# KiCad board INS-1 Matrix Display Motherboard.kicad_pcb (continued)
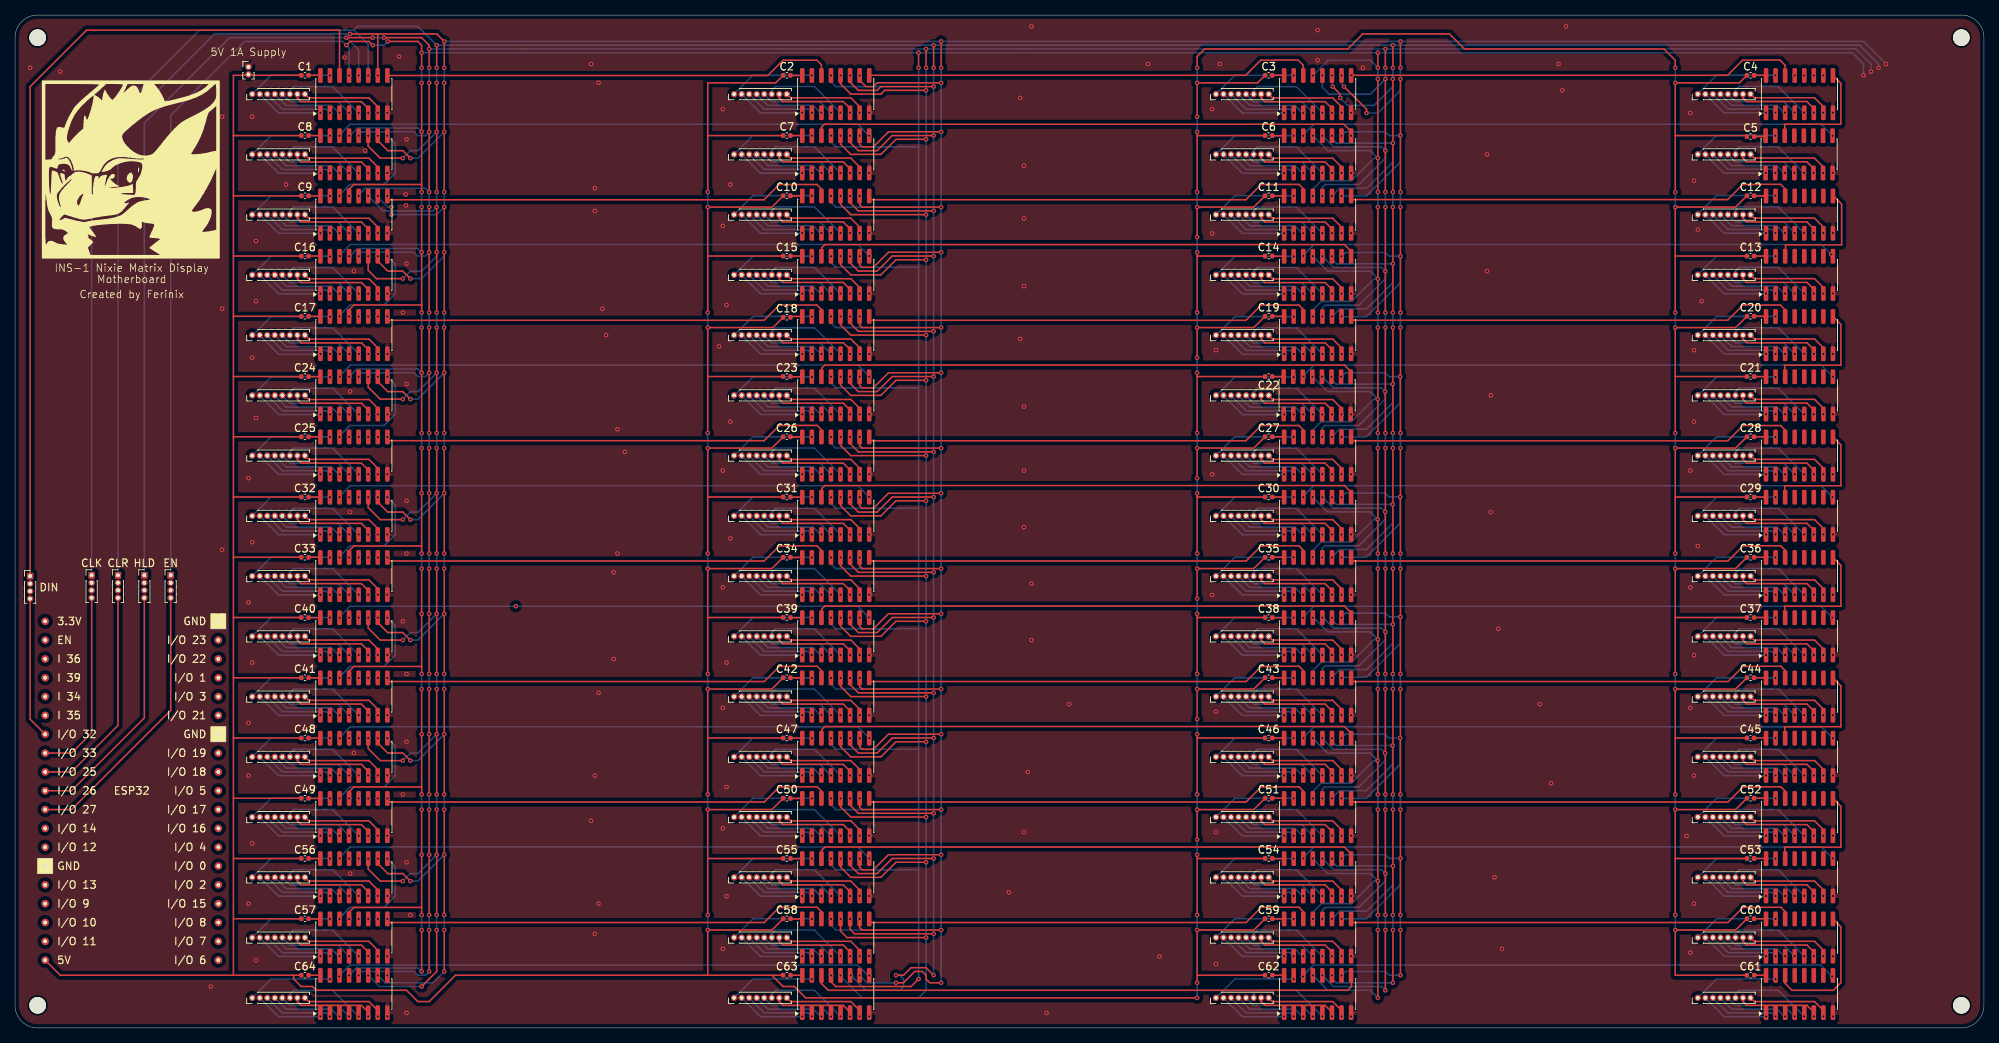
[diagram p0: board, top side]
## Routing (per net, layer and track width the routed paths; a pad name or vN(x,y) marks a point on that pad's centre or on a via; arc(x,y) is an arc through that point) (continued)
Net-(U10-VCC): length 1.6
  Top w0.2: U10.16 103,110.47 C10.2
Net-(U11-QH'): length 60.2
  Top w0.2: 177.43,110 227.46,110 229.46,112 231.47,112 231.49,112.02 234.49,112.02 235.08,111.43 235.08,110
Net-(U11-VCC): length 1.6
  Top w0.2: C11.2 168.53,110.5 U11.16
Net-(U12-QH'): length 15.9
  Top w0.2: 235.14,102.46 235.14,103.94 ; 241.54,110.46 242.6,109.41 242.6,103.99 235.1,103.99
Net-(U12-VCC): length 1.6
  Top w0.2: U12.16 231,110.47 C12.2
Net-(U13-QH'): length 71.5
  Bottom w0.2: 241.41,102.5 v1(241.21,102.71) 239.89,104.03 172.52,104.03 171.11,102.62
  vias: v1(171.11,102.5)
Net-(U13-VCC): length 1.6
  Top w0.2: C13.2 232.53,102.5 U13.16
Net-(U14-QH'): length 72.6
  Top w0.2: 177.5,102.5 177.5,103.08 176.56,104.03 107.56,104.03 107.15,103.62 107.15,102.5
Net-(U14-VCC): length 1.6
  Top w0.2: C14.2 167,102.47 U14.16
Net-(U15-QH'): length 71.6
  Bottom w0.2: v1(113.46,102.5) 111.94,104.03 44.52,104.03 43.11,102.62
  vias: v1(43.11,102.5)
Net-(U15-VCC): length 1.6
  Top w0.2: C15.2 104.53,102.5 U15.16
Net-(U16-QH'): length 14.2
  Bottom w0.2: v1(49.44,102.47) 50.5,101.42 50.5,97.5 49,96 44.5,96 43,94.5
  vias: v1(43.09,94.47)
Net-(U16-VCC): length 1.6
  Top w0.2: U16.16 40.53,102.5 C16.2
Net-(U17-QH'): length 60.2
  Top w0.2: 49.45,93.96 99.47,93.96 101.51,96 103.49,96 103.5,95.99 106.5,95.99 107.1,95.39 107.1,93.96
  vias: v1(49.44,94.47)
Net-(U17-VCC): length 1.6
  Top w0.2: C17.2 40.53,94.5 U17.16
Net-(U18-QH'): length 60.2
  Top w0.2: 113.46,93.96 163.48,93.96 165.51,96 167.5,96 167.51,95.99 170.51,95.99 171.11,95.39 171.11,93.96
Net-(U18-VCC): length 1.6
  Top w0.2: U18.16 103.09,94.47 C18.2
Net-(U19-QH'): length 60.2
  Top w0.2: 177.41,93.97 227.47,93.97 229.5,96 231.46,96 231.46,96 234.46,96 235.06,95.4 235.06,93.97
Net-(U19-VCC): length 1.6
  Top w0.2: U19.16 168.53,94.5 C19.2
Net-(U20-QH'): length 15.9
  Top w0.2: 235.05,86.47 235.05,87.95 ; U20.9 242.5,93.42 242.5,88 235,88
Net-(U20-VCC): length 1.6
  Top w0.2: C20.2 232.53,94.5 U20.16
Net-(U21-QH'): length 71.5
  Bottom w0.2: 241.43,86.5 239.9,88.02 172.53,88.02 171.13,86.62
  vias: v1(171.13,86.5) v1(241.44,86.47)
Net-(U21-VCC): length 1.6
  Top w0.2: C21.2 232.53,86.5 U21.16
Net-(U22-QH'): length 72.6
  Top w0.2: 177.5,86.5 177.5,87.08 176.56,88.03 107.56,88.03 107.15,87.62 107.15,86.5
Net-(U22-VCC): length 20.5
  Top w0.2: 157,86.5 v1(157,87) ; 157,86.5 C22.2 ; 157,86.5 v1(157,79) ; 167,86.5 168.47,86.5 U22.16
  Bottom w0.2: v1(157,87) 157,89
Net-(U23-QH'): length 71.6
  Bottom w0.2: 113.48,86.5 111.95,88.02 44.53,88.02 43.13,86.62
  vias: v1(43.13,86.5) v1(113.44,86.47)
Net-(U23-VCC): length 1.6
  Top w0.2: C23.2 103,86.47 U23.16
Net-(U24-QH'): length 14.2
  Bottom w0.2: 43,78.5 44.5,80 49,80 50.5,81.5 50.5,85.42 v1(49.44,86.47)
  vias: v1(43.09,78.47)
Net-(U24-VCC): length 1.6
  Top w0.2: U24.16 40.53,86.5 C24.2
Net-(U25-QH'): length 60.2
  Top w0.2: 49.48,77.98 99.49,77.98 101.51,80 103.53,80 103.53,80 106.53,80 107.13,79.41 107.13,77.98
  vias: v1(49.44,78.47)
Net-(U25-VCC): length 1.6
  Top w0.2: C25.2 40.53,78.5 U25.16
Net-(U26-QH'): length 60.2
  Top w0.2: 171.12,77.97 171.12,79.4 170.52,80 167.52,80 167.52,80 165.5,80 163.47,77.97 113.47,77.97
Net-(U26-VCC): length 1.6
  Top w0.2: C26.2 103,78.47 U26.16
Net-(U27-QH'): length 60.2
  Top w0.2: 235.08,77.96 235.08,79.39 234.49,79.99 231.49,79.99 231.48,80 229.5,80 227.46,77.96 177.43,77.96
Net-(U27-VCC): length 1.6
  Top w0.2: C27.2 168.53,78.5 U27.16
Net-(U28-QH'): length 15.9
  Top w0.2: 235,72 242.5,72 242.5,77.42 U28.9 ; 235.05,70.47 235.05,71.95
Net-(U28-VCC): length 1.6
  Top w0.2: U28.16 232.53,78.5 C28.2
Net-(U29-QH'): length 71.5
  Bottom w0.2: 241.4,70.48 v1(241.38,70.5) 239.87,72.01 172.5,72.01 171.1,70.6
  vias: v1(171.1,70.48)
Net-(U29-VCC): length 1.6
  Top w0.2: U29.16 232.53,70.5 C29.2
Net-(U30-QH'): length 72.6
  Top w0.2: 107.15,70.5 107.15,71.62 107.56,72.03 176.56,72.03 177.5,71.08 177.5,70.5
Net-(U30-VCC): length 1.6
  Top w0.2: C30.2 168.53,70.5 U30.16
Net-(U31-QH'): length 71.6
  Bottom w0.2: 113.45,70.48 v1(113.43,70.5) 111.92,72.01 44.5,72.01 43.1,70.6
  vias: v1(43.1,70.48)
Net-(U31-VCC): length 1.6
  Top w0.2: U31.16 103,70.47 C31.2
Net-(U32-QH'): length 14.2
  Bottom w0.2: v1(49.44,70.47) 50.5,69.42 50.5,65.5 49,64 44.5,64 43,62.5
  vias: v1(43.09,62.47)
Net-(U32-VCC): length 1.6
  Top w0.2: C32.2 39.01,70.47 U32.16
Net-(U33-QH'): length 60.2
  Top w0.2: 49.45,62 99.5,62 101.5,64 103.48,64 103.5,64.03 106.5,64.03 107.1,63.43 107.1,62
  vias: v1(49.44,62.47)
Net-(U33-VCC): length 1.6
  Top w0.2: U33.16 40.53,62.5 C33.2
Net-(U34-QH'): length 60.2
  Top w0.2: 171.12,62 171.12,63.43 170.53,64.03 167.53,64.03 167.5,64 165.5,64 163.5,62 113.47,62
Net-(U34-VCC): length 1.6
  Top w0.2: U34.16 103,62.47 C34.2
Net-(U35-QH'): length 60.2
  Top w0.2: 177.47,62 227.5,62 229.5,64 231.5,64 231.53,64.03 234.53,64.03 235.12,63.43 235.12,62
Net-(U35-VCC): length 1.6
  Top w0.2: U35.16 168.53,62.5 C35.2
Net-(U36-QH'): length 15.9
  Top w0.2: 235.05,54.47 235.05,55.95 ; 235,56 242.5,56 242.5,61.42 U36.9
Net-(U36-VCC): length 1.6
  Top w0.2: C36.2 232.53,62.5 U36.16
Net-(U37-QH'): length 71.5
  Bottom w0.2: 241.38,54.46 v1(241.35,54.5) 239.86,55.99 172.49,55.99 171.08,54.58
  vias: v1(171.08,54.46)
Net-(U37-VCC): length 1.6
  Top w0.2: U37.16 232.53,54.5 C37.2
Net-(U38-QH'): length 72.6
  Top w0.2: 107.15,54.5 107.15,55.62 107.56,56.03 176.56,56.03 177.5,55.08 177.5,54.5
Net-(U38-VCC): length 1.6
  Top w0.2: C38.2 167,54.47 U38.16
Net-(U39-QH'): length 71.6
  Bottom w0.2: 113.43,54.46 v1(113.4,54.5) 111.91,55.99 44.49,55.99 43.08,54.58
  vias: v1(43.08,54.46) v1(66.5,56)
Net-(U39-VCC): length 1.6
  Top w0.2: C39.2 103,54.47 U39.16
Net-(U40-QH'): length 14.2
  Bottom w0.2: v1(49.44,54.47) 50.5,53.42 50.5,49.5 49,48 44.5,48 43,46.5
  vias: v1(43.09,46.47)
Net-(U40-VCC): length 1.6
  Top w0.2: 40.53,54.5 U40.16 39.01,54.47 C40.2
Net-(U41-QH'): length 60.2
  Top w0.2: 107.12,46 107.12,47.43 106.53,48.03 103.53,48.03 103.5,48 101.5,48 99.5,46 49.47,46
  vias: v1(49.44,46.47)
Net-(U41-VCC): length 1.6
  Top w0.2: U41.16 39.01,46.47 C41.2
Net-(U42-QH'): length 60.2
  Top w0.2: 113.47,46 163.5,46 165.5,48 167.5,48 167.53,48.03 170.53,48.03 171.12,47.43 171.12,46
Net-(U42-VCC): length 1.6
  Top w0.2: C42.2 103,46.47 U42.16
Net-(U43-QH'): length 60.2
  Top w0.2: 177.47,46 227.5,46 229.5,48 231.5,48 231.53,48.03 234.53,48.03 235.12,47.43 235.12,46
Net-(U43-VCC): length 1.6
  Top w0.2: U43.16 168.53,46.5 C43.2
Net-(U44-QH'): length 15.9
  Top w0.2: 235.05,38.47 235.05,39.95 ; 235,40 242.5,40 242.5,45.42 U44.9
Net-(U44-VCC): length 1.6
  Top w0.2: U44.16 232.53,46.5 C44.2
Net-(U45-QH'): length 71.5
  Bottom w0.2: v1(241.43,38.47) 239.91,39.99 172.54,39.99 171.13,38.59
  vias: v1(171.13,38.47)
Net-(U45-VCC): length 1.6
  Top w0.2: U45.16 232.53,38.5 C45.2
Net-(U46-QH'): length 72.6
  Top w0.2: 107.15,38.5 107.15,39.62 107.56,40.03 176.56,40.03 177.5,39.08 177.5,38.5
Net-(U46-VCC): length 1.6
  Top w0.2: C46.2 168.53,38.5 U46.16
Net-(U47-QH'): length 71.6
  Bottom w0.2: 43.13,38.59 44.54,39.99 111.96,39.99 v1(113.48,38.48) 113.48,38.47
  vias: v1(43.13,38.47)
Net-(U47-VCC): length 1.6
  Top w0.2: U47.16 104.53,38.5 C47.2
Net-(U48-QH'): length 14.2
  Bottom w0.2: v1(49.44,38.47) 50.5,37.42 50.5,33.5 49,32 44.5,32 43,30.5
  vias: v1(43.09,30.47)
Net-(U48-VCC): length 1.6
  Top w0.2: U48.16 40.53,38.5 C48.2
Net-(U49-QH'): length 60.2
  Top w0.2: 49.47,30 99.5,30 101.5,32 103.5,32 103.53,32.03 106.53,32.03 107.12,31.43 107.12,30
  vias: v1(49.44,30.47)
Net-(U49-VCC): length 1.6
  Top w0.2: U49.16 39.01,30.47 C49.2
Net-(U50-QH'): length 60.2
  Top w0.2: 171.12,30 171.12,31.43 170.53,32.03 167.53,32.03 167.5,32 165.5,32 163.5,30 113.47,30
Net-(U50-VCC): length 1.6
  Top w0.2: C50.2 103,30.47 U50.16
Net-(U51-QH'): length 60.2
  Top w0.2: 177.47,30 227.5,30 229.5,32 231.5,32 231.53,32.03 234.53,32.03 235.12,31.43 235.12,30
Net-(U51-VCC): length 1.6
  Top w0.2: C51.2 168.53,30.5 U51.16
Net-(U52-QH'): length 15.9
  Top w0.2: U52.9 242.5,29.42 242.5,24 235,24 ; 235.05,22.47 235.05,23.95
Net-(U52-VCC): length 1.6
  Top w0.2: C52.2 232.53,30.5 U52.16
Net-(U53-QH'): length 71.5
  Bottom w0.2: v1(241.41,22.51) 239.89,24.03 172.52,24.03 171.11,22.63
  vias: v1(171.11,22.51)
Net-(U53-VCC): length 1.6
  Top w0.2: C53.2 232.53,22.5 U53.16
Net-(U54-QH'): length 72.6
  Top w0.2: 107.15,22.5 107.15,23.62 107.56,24.03 176.56,24.03 177.5,23.08 177.5,22.5
Net-(U54-VCC): length 1.6
  Top w0.2: C54.2 167,22.47 U54.16
Net-(U55-QH'): length 71.6
  Bottom w0.2: v1(113.46,22.51) 111.94,24.03 44.52,24.03 43.11,22.63
  vias: v1(43.11,22.51)
Net-(U55-VCC): length 1.6
  Top w0.2: U55.16 103,22.47 C55.2
Net-(U56-QH'): length 14.2
  Bottom w0.2: 43,14.5 44.5,16 49,16 50.5,17.5 50.5,21.42 v1(49.44,22.47)
  vias: v1(43.09,14.47)
Net-(U56-VCC): length 1.6
  Top w0.2: C56.2 40.53,22.5 U56.16
Net-(U57-QH'): length 60.2
  Top w0.2: 49.47,14 99.5,14 101.5,16 103.5,16 103.53,16.03 106.53,16.03 107.12,15.43 107.12,14
  vias: v1(49.44,14.47)
Net-(U57-VCC): length 1.6
  Top w0.2: 40.53,14.5 U57.16 39.01,14.47 C57.2
Net-(U58-QH'): length 60.2
  Top w0.2: 171.12,14 171.12,15.43 170.53,16.03 165.53,16.03 163.5,14 113.47,14
Net-(U58-VCC): length 1.6
  Top w0.2: U58.16 103,14.47 C58.2
Net-(U59-QH'): length 60.2
  Top w0.2: 235.12,14 235.12,15.43 234.53,16.03 231.53,16.03 231.5,16 229.5,16 227.5,14 177.47,14
Net-(U60-QH'): length 18.2
  Top w0.2: U60.9 242.5,13.42 242.5,6 241.5,5 236,5 235.09,5.91 U61.14
Net-(U60-VCC): length 1.6
  Top w0.2: C60.2 232.53,14.5 U60.16
Net-(U61-QH'): length 71.5
  Bottom w0.2: 241.35,6.83 v1(241.34,6.84) 239.83,8.35 172.45,8.35 171.05,6.95
  vias: v1(171.05,6.83)
Net-(U61-VCC): length 1.6
  Top w0.2: U61.16 232.53,7 C61.2
Net-(U62-QH'): length 73.6
  Top w0.2: U62.9 177.5,6.92 177.5,5.5 177,5 108,5 107.09,5.91 U63.14
Net-(U62-VCC): length 1.6
  Top w0.2: C62.2 168.53,7 U62.16
Net-(U63-QH'): length 71.6
  Bottom w0.2: 113.4,6.83 111.87,8.35 44.45,8.35 43.05,6.95
  vias: v1(43.05,6.83) v1(113.44,6.97)
Net-(U63-VCC): length 1.6
  Top w0.2: C63.2 104.53,7 U63.16
Net-(U64-VCC): length 1.6
  Top w0.2: U64.16 40.53,7 C64.2
unconnected-(U1-QA-Pad15): length 11.4
  Bottom w0.2: v1(41.83,126.47) 41.8,126.5 34,126.5 31.5,124
unconnected-(U1-QB-Pad1): length 9.1
  Bottom w0.2: 32.5,124 35,121.5 40.53,121.5 v1(40.55,121.53)
unconnected-(U1-QC-Pad2): length 9.4
  Bottom w0.2: 33.5,124 35.5,122 41.35,122 v1(41.83,121.53)
unconnected-(U1-QD-Pad3): length 9.6
  Bottom w0.2: v1(43.09,121.53) 42.98,121.53 42,122.5 36,122.5 34.5,124
unconnected-(U1-QE-Pad4): length 9.9
  Bottom w0.2: 35.5,124 36.5,123 42.89,123 v1(44.37,121.53)
unconnected-(U1-QF-Pad5): length 11.3
  Bottom w0.2: v1(45.63,121.53) 42.16,125 37,125 36.5,124.5 36.5,124
unconnected-(U1-QG-Pad6): length 11.1
  Top w0.2: v1(46.91,121.53) 46.91,122.09 46,123 38,123 37.5,123.5 37.5,124
unconnected-(U1-QH-Pad7): length 11.2
  Top w0.2: v1(48.17,121.53) 48.17,122.33 47,123.5 39,123.5 38.5,124
unconnected-(U1-SER-Pad14): length 134
  Top w0.2: 4,39 2,41 2,57 ; U1.14 43.09,132.41 43,132.5 9.5,132.5 2,125 2,60
unconnected-(U2-QA-Pad15): length 11.4
  Bottom w0.2: v1(105.82,126.49) 105.79,126.51 97.99,126.51 95.49,124.01
unconnected-(U2-QB-Pad1): length 9.1
  Bottom w0.2: 96.49,124.01 98.99,121.51 104.52,121.51 v1(104.55,121.54)
unconnected-(U2-QC-Pad2): length 9.4
  Bottom w0.2: v1(105.82,121.54) 105.34,122.01 99.49,122.01 97.49,124.01
unconnected-(U2-QD-Pad3): length 9.6
  Bottom w0.2: 98.49,124.01 99.99,122.51 105.99,122.51 106.97,121.54 v1(107.09,121.54)
unconnected-(U2-QE-Pad4): length 9.9
  Bottom w0.2: v1(108.36,121.54) 106.88,123.01 100.49,123.01 99.49,124.01
unconnected-(U2-QF-Pad5): length 11.3
  Bottom w0.2: v1(109.63,121.54) 106.15,125.01 100.99,125.01 100.49,124.51 100.49,124.01
unconnected-(U2-QG-Pad6): length 11.1
  Top w0.2: v1(110.9,121.54) 110.9,122.11 109.99,123.01 101.99,123.01 101.49,123.51 101.49,124.01
unconnected-(U2-QH-Pad7): length 11.2
  Top w0.2: 102.49,124.01 102.99,123.51 110.99,123.51 112.17,122.34 v1(112.17,121.54)
unconnected-(U3-QA-Pad15): length 11.4
  Bottom w0.2: v1(169.83,126.47) 169.8,126.5 162,126.5 159.5,124
unconnected-(U3-QB-Pad1): length 9.1
  Bottom w0.2: 160.5,124 163,121.5 168.53,121.5 v1(168.56,121.52)
unconnected-(U3-QC-Pad2): length 9.4
  Bottom w0.2: 161.5,124 163.5,122 169.35,122 v1(169.83,121.52)
unconnected-(U3-QD-Pad3): length 9.6
  Bottom w0.2: v1(171.1,121.52) 170.98,121.52 170,122.5 164,122.5 162.5,124
unconnected-(U3-QE-Pad4): length 9.9
  Bottom w0.2: v1(172.37,121.52) 170.89,123 164.5,123 163.5,124
unconnected-(U3-QF-Pad5): length 11.3
  Bottom w0.2: 164.5,124 164.5,124.5 165,125 170.16,125 v1(173.64,121.52)
unconnected-(U3-QG-Pad6): length 11.1
  Top w0.2: v1(174.91,121.52) 174.91,122.09 174,123 166,123 165.5,123.5 165.5,124
unconnected-(U3-QH-Pad7): length 11.2
  Top w0.2: 166.5,124 167,123.5 175,123.5 176.18,122.32 v1(176.18,121.52)
unconnected-(U4-QA-Pad15): length 11.4
  Bottom w0.2: v1(233.81,126.5) 233.78,126.52 225.98,126.52 223.48,124.02
unconnected-(U4-QB-Pad1): length 9.1
  Bottom w0.2: v1(232.54,121.55) 232.51,121.52 226.98,121.52 224.48,124.02
unconnected-(U4-QC-Pad2): length 9.4
  Bottom w0.2: v1(233.81,121.55) 233.33,122.02 227.48,122.02 225.48,124.02
unconnected-(U4-QD-Pad3): length 9.6
  Bottom w0.2: 226.48,124.02 227.98,122.52 233.98,122.52 234.96,121.55 v1(235.08,121.55)
unconnected-(U4-QE-Pad4): length 9.9
  Bottom w0.2: 227.48,124.02 228.48,123.02 234.87,123.02 v1(236.35,121.55)
unconnected-(U4-QF-Pad5): length 11.3
  Bottom w0.2: 228.48,124.02 228.48,124.52 228.98,125.02 234.14,125.02 v1(237.62,121.55)
unconnected-(U4-QG-Pad6): length 11.1
  Top w0.2: 229.48,124.02 229.48,123.52 229.98,123.02 237.98,123.02 238.89,122.12 v1(238.89,121.55)
unconnected-(U4-QH-Pad7): length 11.2
  Top w0.2: 230.48,124.02 230.98,123.52 238.98,123.52 240.16,122.35 v1(240.16,121.55)
unconnected-(U5-QA-Pad15): length 11.4
  Bottom w0.2: 223.48,116.02 225.98,118.52 233.78,118.52 v1(233.81,118.49)
unconnected-(U5-QB-Pad1): length 9.1
  Bottom w0.2: 224.48,116.02 226.98,113.52 232.51,113.52 v1(232.54,113.54)
unconnected-(U5-QC-Pad2): length 9.4
  Bottom w0.2: v1(233.81,113.54) 233.33,114.02 227.48,114.02 225.48,116.02
unconnected-(U5-QD-Pad3): length 9.6
  Bottom w0.2: 226.48,116.02 227.98,114.52 233.98,114.52 234.96,113.54 v1(235.08,113.54)
unconnected-(U5-QE-Pad4): length 9.9
  Bottom w0.2: 227.48,116.02 228.48,115.02 234.87,115.02 v1(236.35,113.54)
unconnected-(U5-QF-Pad5): length 11.3
  Bottom w0.2: v1(237.62,113.54) 234.14,117.02 228.98,117.02 228.48,116.52 228.48,116.02
unconnected-(U5-QG-Pad6): length 11.1
  Top w0.2: v1(238.89,113.54) 238.89,114.11 237.98,115.02 229.98,115.02 229.48,115.52 229.48,116.02
unconnected-(U5-QH-Pad7): length 11.2
  Top w0.2: 230.48,116.02 230.98,115.52 238.98,115.52 240.16,114.34 v1(240.16,113.54)
unconnected-(U6-QA-Pad15): length 11.4
  Bottom w0.2: v1(169.83,118.47) 169.8,118.49 162,118.49 159.5,115.99
unconnected-(U6-QB-Pad1): length 9.1
  Bottom w0.2: v1(168.56,113.52) 168.53,113.49 163,113.49 160.5,115.99
unconnected-(U6-QC-Pad2): length 9.4
  Bottom w0.2: 161.5,115.99 163.5,113.99 169.35,113.99 v1(169.83,113.52)
unconnected-(U6-QD-Pad3): length 9.6
  Bottom w0.2: 162.5,115.99 164,114.49 170,114.49 170.98,113.52 v1(171.1,113.52)
unconnected-(U6-QE-Pad4): length 9.9
  Bottom w0.2: 163.5,115.99 164.5,114.99 170.89,114.99 v1(172.37,113.52)
unconnected-(U6-QF-Pad5): length 11.3
  Bottom w0.2: v1(173.64,113.52) 170.16,116.99 165,116.99 164.5,116.49 164.5,115.99
unconnected-(U6-QG-Pad6): length 11.1
  Top w0.2: 165.5,115.99 165.5,115.49 166,114.99 174,114.99 174.91,114.09 v1(174.91,113.52)
unconnected-(U6-QH-Pad7): length 11.2
  Top w0.2: 166.5,115.99 167,115.49 175,115.49 176.18,114.32 v1(176.18,113.52)
unconnected-(U7-QA-Pad15): length 11.4
  Bottom w0.2: 95.49,116.01 97.99,118.51 105.79,118.51 v1(105.82,118.48)
unconnected-(U7-QB-Pad1): length 9.1
  Bottom w0.2: v1(104.55,113.53) 104.52,113.51 98.99,113.51 96.49,116.01
unconnected-(U7-QC-Pad2): length 9.4
  Bottom w0.2: 97.49,116.01 99.49,114.01 105.34,114.01 v1(105.82,113.53)
unconnected-(U7-QD-Pad3): length 9.6
  Bottom w0.2: 98.49,116.01 99.99,114.51 105.99,114.51 106.97,113.53 v1(107.09,113.53)
unconnected-(U7-QE-Pad4): length 9.9
  Bottom w0.2: 99.49,116.01 100.49,115.01 106.88,115.01 v1(108.36,113.53)
unconnected-(U7-QF-Pad5): length 11.3
  Bottom w0.2: 100.49,116.01 100.49,116.51 100.99,117.01 106.15,117.01 v1(109.63,113.53)
unconnected-(U7-QG-Pad6): length 11.1
  Top w0.2: v1(110.9,113.53) 110.9,114.1 109.99,115.01 101.99,115.01 101.49,115.51 101.49,116.01
unconnected-(U7-QH-Pad7): length 11.2
  Top w0.2: v1(112.17,113.53) 112.17,114.33 110.99,115.51 102.99,115.51 102.49,116.01
unconnected-(U8-QA-Pad15): length 11.4
  Bottom w0.2: v1(41.82,118.47) 41.8,118.49 34,118.49 31.5,115.99
unconnected-(U8-QB-Pad1): length 9.1
  Bottom w0.2: v1(40.55,113.52) 40.53,113.49 35,113.49 32.5,115.99
unconnected-(U8-QC-Pad2): length 9.4
  Bottom w0.2: v1(41.82,113.52) 41.35,113.99 35.5,113.99 33.5,115.99
unconnected-(U8-QD-Pad3): length 9.6
  Bottom w0.2: v1(43.09,113.52) 42.97,113.52 42,114.49 36,114.49 34.5,115.99
unconnected-(U8-QE-Pad4): length 9.9
  Bottom w0.2: 35.5,115.99 36.5,114.99 42.89,114.99 v1(44.36,113.52)
unconnected-(U8-QF-Pad5): length 11.3
  Bottom w0.2: v1(45.63,113.52) 42.16,116.99 37,116.99 36.5,116.49 36.5,115.99
unconnected-(U8-QG-Pad6): length 11.1
  Top w0.2: 37.5,115.99 37.5,115.49 38,114.99 46,114.99 46.9,114.09 v1(46.9,113.52)
unconnected-(U8-QH-Pad7): length 11.2
  Top w0.2: 38.5,115.99 39,115.49 47,115.49 48.17,114.32 v1(48.17,113.52)
unconnected-(U9-QA-Pad15): length 11.4
  Bottom w0.2: 31.5,108.02 34,110.52 41.8,110.52 v1(41.83,110.49)
unconnected-(U9-QB-Pad1): length 9.1
  Bottom w0.2: 32.5,108.02 35,105.52 40.53,105.52 v1(40.56,105.54)
unconnected-(U9-QC-Pad2): length 9.4
  Bottom w0.2: v1(41.83,105.54) 41.35,106.02 35.5,106.02 33.5,108.02
unconnected-(U9-QD-Pad3): length 9.6
  Bottom w0.2: v1(43.1,105.54) 42.98,105.54 42,106.52 36,106.52 34.5,108.02
unconnected-(U9-QE-Pad4): length 9.9
  Bottom w0.2: 35.5,108.02 36.5,107.02 42.89,107.02 v1(44.37,105.54)
unconnected-(U9-QF-Pad5): length 11.3
  Bottom w0.2: 36.5,108.02 36.5,108.52 37,109.02 42.16,109.02 v1(45.64,105.54)
unconnected-(U9-QG-Pad6): length 11.1
  Top w0.2: v1(46.91,105.54) 46.91,106.11 46,107.02 38,107.02 37.5,107.52 37.5,108.02
unconnected-(U9-QH-Pad7): length 11.2
  Top w0.2: 38.5,108.02 39,107.52 47,107.52 48.18,106.34 v1(48.18,105.54)
unconnected-(U10-QA-Pad15): length 11.4
  Bottom w0.2: 95.5,108.03 98,110.53 105.8,110.53 v1(105.82,110.5)
unconnected-(U10-QB-Pad1): length 9.1
  Bottom w0.2: v1(104.55,105.55) 104.53,105.53 99,105.53 96.5,108.03
unconnected-(U10-QC-Pad2): length 9.4
  Bottom w0.2: 97.5,108.03 99.5,106.03 105.35,106.03 v1(105.82,105.55)
unconnected-(U10-QD-Pad3): length 9.6
  Bottom w0.2: 98.5,108.03 100,106.53 106,106.53 106.97,105.55 v1(107.09,105.55)
unconnected-(U10-QE-Pad4): length 9.9
  Bottom w0.2: 99.5,108.03 100.5,107.03 106.89,107.03 v1(108.36,105.55)
unconnected-(U10-QF-Pad5): length 11.3
  Bottom w0.2: v1(109.63,105.55) 106.16,109.03 101,109.03 100.5,108.53 100.5,108.03
unconnected-(U10-QG-Pad6): length 11.1
  Top w0.2: v1(110.9,105.55) 110.9,106.12 110,107.03 102,107.03 101.5,107.53 101.5,108.03
unconnected-(U10-QH-Pad7): length 11.2
  Top w0.2: 102.5,108.03 103,107.53 111,107.53 112.17,106.35 v1(112.17,105.55)
unconnected-(U11-QA-Pad15): length 11.4
  Bottom w0.2: 159.51,108.01 162.01,110.51 169.81,110.51 v1(169.83,110.49)
unconnected-(U11-QB-Pad1): length 9.1
  Bottom w0.2: 160.51,108.01 163.01,105.51 168.54,105.51 v1(168.56,105.54)
unconnected-(U11-QC-Pad2): length 9.4
  Bottom w0.2: v1(169.83,105.54) 169.36,106.01 163.51,106.01 161.51,108.01
unconnected-(U11-QD-Pad3): length 9.6
  Bottom w0.2: 162.51,108.01 164.01,106.51 170.01,106.51 170.98,105.54 v1(171.1,105.54)
unconnected-(U11-QE-Pad4): length 9.9
  Bottom w0.2: v1(172.37,105.54) 170.9,107.01 164.51,107.01 163.51,108.01
unconnected-(U11-QF-Pad5): length 11.3
  Bottom w0.2: 164.51,108.01 164.51,108.51 165.01,109.01 170.17,109.01 v1(173.64,105.54)
unconnected-(U11-QG-Pad6): length 11.1
  Top w0.2: v1(174.91,105.54) 174.91,106.11 174.01,107.01 166.01,107.01 165.51,107.51 165.51,108.01
unconnected-(U11-QH-Pad7): length 11.2
  Top w0.2: v1(176.18,105.54) 176.18,106.34 175.01,107.51 167.01,107.51 166.51,108.01
unconnected-(U12-QA-Pad15): length 11.4
  Bottom w0.2: v1(233.81,110.51) 233.79,110.54 225.99,110.54 223.49,108.04
unconnected-(U12-QB-Pad1): length 9.1
  Bottom w0.2: 224.49,108.04 226.99,105.54 232.52,105.54 v1(232.54,105.56)
unconnected-(U12-QC-Pad2): length 9.4
  Bottom w0.2: 225.49,108.04 227.49,106.04 233.34,106.04 v1(233.81,105.56)
unconnected-(U12-QD-Pad3): length 9.6
  Bottom w0.2: v1(235.08,105.56) 234.96,105.56 233.99,106.54 227.99,106.54 226.49,108.04
unconnected-(U12-QE-Pad4): length 9.9
  Bottom w0.2: v1(236.35,105.56) 234.88,107.04 228.49,107.04 227.49,108.04
unconnected-(U12-QF-Pad5): length 11.3
  Bottom w0.2: 228.49,108.04 228.49,108.54 228.99,109.04 234.15,109.04 v1(237.62,105.56)
unconnected-(U12-QG-Pad6): length 11.1
  Top w0.2: v1(238.89,105.56) 238.89,106.13 237.99,107.04 229.99,107.04 229.49,107.54 229.49,108.04
unconnected-(U12-QH-Pad7): length 11.2
  Top w0.2: 230.49,108.04 230.99,107.54 238.99,107.54 240.16,106.36 v1(240.16,105.56)
unconnected-(U13-QA-Pad15): length 11.4
  Bottom w0.2: v1(233.81,102.47) 233.79,102.5 225.99,102.5 223.49,100
unconnected-(U13-QB-Pad1): length 9.1
  Bottom w0.2: 224.49,100 226.99,97.5 232.52,97.5 v1(232.54,97.52)
unconnected-(U13-QC-Pad2): length 9.4
  Bottom w0.2: 225.49,100 227.49,98 233.34,98 v1(233.81,97.52)
unconnected-(U13-QD-Pad3): length 9.6
  Bottom w0.2: v1(235.08,97.52) 234.96,97.52 233.99,98.5 227.99,98.5 226.49,100
unconnected-(U13-QE-Pad4): length 9.9
  Bottom w0.2: 227.49,100 228.49,99 234.88,99 v1(236.35,97.52)
unconnected-(U13-QF-Pad5): length 11.3
  Bottom w0.2: 228.49,100 228.49,100.5 228.99,101 234.15,101 v1(237.62,97.52)
unconnected-(U13-QG-Pad6): length 11.1
  Top w0.2: v1(238.89,97.52) 238.89,98.09 237.99,99 229.99,99 229.49,99.5 229.49,100
unconnected-(U13-QH-Pad7): length 11.2
  Top w0.2: v1(240.16,97.52) 240.16,98.32 238.99,99.5 230.99,99.5 230.49,100
unconnected-(U14-QA-Pad15): length 11.4
  Bottom w0.2: v1(169.83,102.45) 169.81,102.47 162.01,102.47 159.51,99.97
unconnected-(U14-QB-Pad1): length 9.1
  Bottom w0.2: 160.51,99.97 163.01,97.47 168.54,97.47 v1(168.56,97.5)
unconnected-(U14-QC-Pad2): length 9.4
  Bottom w0.2: 161.51,99.97 163.51,97.97 169.36,97.97 v1(169.83,97.5)
unconnected-(U14-QD-Pad3): length 9.6
  Bottom w0.2: v1(171.1,97.5) 170.98,97.5 170.01,98.47 164.01,98.47 162.51,99.97
unconnected-(U14-QE-Pad4): length 9.9
  Bottom w0.2: v1(172.37,97.5) 170.9,98.97 164.51,98.97 163.51,99.97
unconnected-(U14-QF-Pad5): length 11.3
  Bottom w0.2: v1(173.64,97.5) 170.17,100.97 165.01,100.97 164.51,100.47 164.51,99.97
unconnected-(U14-QG-Pad6): length 11.1
  Top w0.2: 165.51,99.97 165.51,99.47 166.01,98.97 174.01,98.97 174.91,98.07 v1(174.91,97.5)
unconnected-(U14-QH-Pad7): length 11.2
  Top w0.2: v1(176.18,97.5) 176.18,98.3 175.01,99.47 167.01,99.47 166.51,99.97
unconnected-(U15-QA-Pad15): length 11.4
  Bottom w0.2: v1(105.82,102.47) 105.8,102.49 98,102.49 95.5,99.99
unconnected-(U15-QB-Pad1): length 9.1
  Bottom w0.2: 96.5,99.99 99,97.49 104.53,97.49 v1(104.55,97.52)
unconnected-(U15-QC-Pad2): length 9.4
  Bottom w0.2: 97.5,99.99 99.5,97.99 105.35,97.99 v1(105.82,97.52)
unconnected-(U15-QD-Pad3): length 9.6
  Bottom w0.2: v1(107.09,97.52) 106.97,97.52 106,98.49 100,98.49 98.5,99.99
unconnected-(U15-QE-Pad4): length 9.9
  Bottom w0.2: v1(108.36,97.52) 106.89,98.99 100.5,98.99 99.5,99.99
unconnected-(U15-QF-Pad5): length 11.3
  Bottom w0.2: v1(109.63,97.52) 106.16,100.99 101,100.99 100.5,100.49 100.5,99.99
unconnected-(U15-QG-Pad6): length 11.1
  Top w0.2: 101.5,99.99 101.5,99.49 102,98.99 110,98.99 110.9,98.09 v1(110.9,97.52)
unconnected-(U15-QH-Pad7): length 11.2
  Top w0.2: v1(112.17,97.52) 112.17,98.32 111,99.49 103,99.49 102.5,99.99
unconnected-(U16-QA-Pad15): length 11.4
  Bottom w0.2: 31.51,99.98 34.01,102.48 41.81,102.48 v1(41.83,102.45)
unconnected-(U16-QB-Pad1): length 9.1
  Bottom w0.2: 32.51,99.98 35.01,97.48 40.54,97.48 v1(40.56,97.5)
unconnected-(U16-QC-Pad2): length 9.4
  Bottom w0.2: v1(41.83,97.5) 41.36,97.98 35.51,97.98 33.51,99.98
unconnected-(U16-QD-Pad3): length 9.6
  Bottom w0.2: v1(43.1,97.5) 42.98,97.5 42.01,98.48 36.01,98.48 34.51,99.98
unconnected-(U16-QE-Pad4): length 9.9
  Bottom w0.2: v1(44.37,97.5) 42.9,98.98 36.51,98.98 35.51,99.98
unconnected-(U16-QF-Pad5): length 11.3
  Bottom w0.2: v1(45.64,97.5) 42.17,100.98 37.01,100.98 36.51,100.48 36.51,99.98
unconnected-(U16-QG-Pad6): length 11.1
  Top w0.2: v1(46.91,97.5) 46.91,98.07 46.01,98.98 38.01,98.98 37.51,99.48 37.51,99.98